# Allegro board rt1064_som.brd (continued)
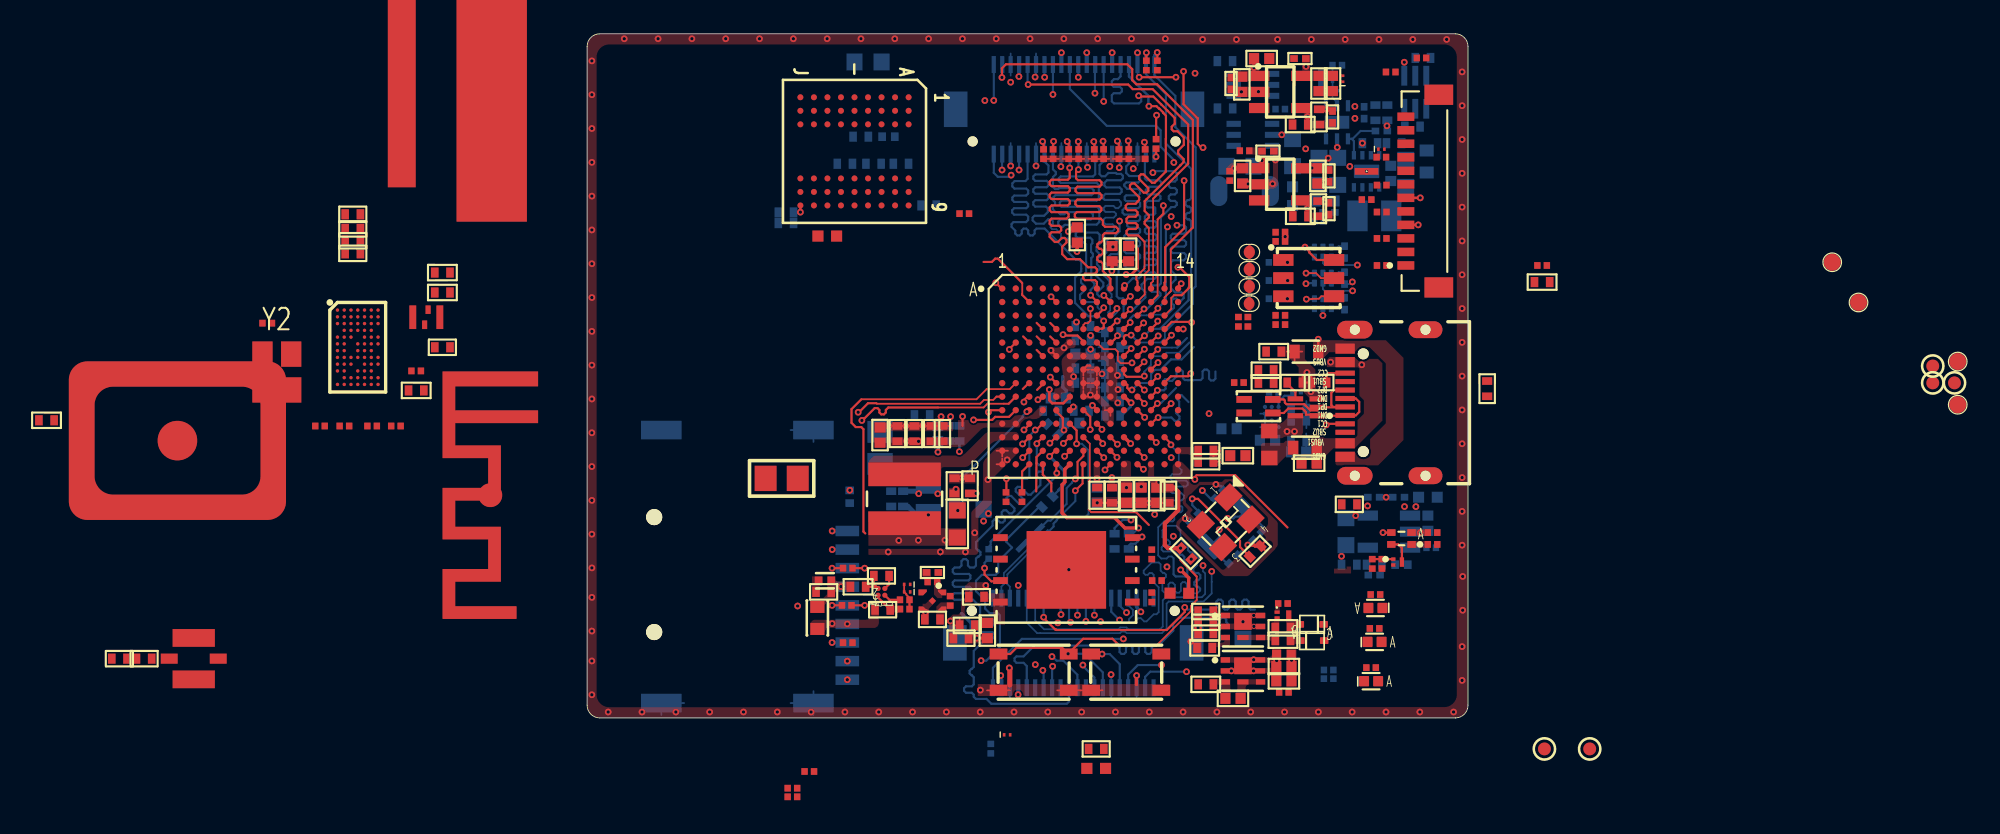
[diagram p0: board, top side]
## Footprints (pads in the part's own frame, mm; a bottom-side part is the same pattern mirrored in y, then rotated) (continued)
C0201
  rect 0.45x0.401 smd: 1(-0.35,0) 2(0.35,0)
C0402
  rect 0.6x0.65 smd: 1(-0.451,0) 2(0.451,0)
C0402_SMALL
  rect 0.45x0.6 smd: 1(-0.451,0) 2(0.451,0)
C0402N
  rect 0.54x0.6 smd: 1(-0.432,0) 2(0.432,0)
C0603
  rect 0.95x1.001 smd: 1(-0.8,0) 2(0.8,0)
C0805
  rect 1.295x1.499 smd: 1(-0.95,0) 2(0.95,0)
CB_4_5_ADI
  round 0.305 smd: A1(-0.2,0.2) A2(0.2,0.2) B1(-0.2,-0.2) B2(0.2,-0.2)
CC1206_OV
  oval 1.016x1.778 smd: 1(-1.524,0) 2(1.524,0)
CR_B30F4_STM
  rect 0.152x0.203 smd: A(0.178,0) C(-0.178,0)
CST3C_TOS
  rect 0.254x0.203 smd: 1(-0.254,0.175) 2(-0.254,-0.175)
  rect 0.254x0.559 smd: 3(0.254,0)
DCK6
  rect 1.168x0.356 smd: 1(-0.978,0.65) 2(-0.978,0) 3(-0.978,-0.65) 4(0.978,-0.65) 5(0.978,0) 6(0.978,0.65)
DCK6_TEX
  rect 0.851x0.356 smd: 1(-1.137,0.65) 2(-1.137,0) 3(-1.137,-0.65) 4(1.137,-0.65) 5(1.137,0) 6(1.137,0.65)
DQN4
  custom 0.34x0.49 smd: 1(-0.5,0.573) 3(0.5,-0.575)
  custom 0.35x0.5 smd: 2(-0.5,-0.578) 4(0.5,0.575)
  custom 0.439x0.439 smd: 5(0,0)
DRL5
  rect 0.914x0.305 smd: 1(-0.648,0.5) 2(-0.648,0) 3(-0.648,-0.5) 4(0.648,-0.5) 5(0.648,0.5)
FB0402
  rect 0.6x0.65 smd: 1(-0.451,0) 2(0.451,0)
GCT_MEM2075-00-140-01-A
  round 0.95 hole 0.95 unplated: (-3.4,0) (3.4,0)
  rect 0.62x1.4 smd: 1(2.58,11.42) 2(1.48,11.42) 3(0.38,11.42) 4(-0.72,11.42) 5(-1.82,11.42) 6(-2.92,11.42) 7(-4.02,11.42) 8(-5.12,11.42) 9(-6.22,11.42)
  rect 1.1x2.4 smd: SH1(-7.6,0.42) SH2(-7.6,9.42) SH3(8.55,9.42) SH4(8.55,0.42)
GCT_USB4105-GF-A
  round 0.65 hole 0.65 unplated: (-2.89,3.68) (2.89,3.68)
  rect 0.6x1.15 smd: 1(-3.2,4.755) 2(-2.4,4.755) 11(2.4,4.755) 12(3.2,4.755)
  rect 0.3x1.15 smd: 3(-1.75,4.755) 4(-1.25,4.755) 5(-0.75,4.755) 6(-0.25,4.755) 7(0.25,4.755) 8(0.75,4.755) 9(1.25,4.755) 10(1.75,4.755)
  oval 1x2 hole 0.6: G1(-4.32,0) G2(4.32,0)
  oval 1.05x2.1 hole 0.6: G3(-4.32,4.18) G4(4.32,4.18)
HRS_DF1730-40DS-05V57
  round 0.6 hole 0.6 unplated: (-6,-1.9) (6,-1.9)
  rect 0.25x1 smd: 1(-4.75,-2.65) 2(-4.75,2.65) 3(-4.25,-2.65) 4(-4.25,2.65) 5(-3.75,-2.65) 6(-3.75,2.65) 7(-3.25,-2.65) 8(-3.25,2.65) 9(-2.75,-2.65) 10(-2.75,2.65) 11(-2.25,-2.65) 12(-2.25,2.65) 13(-1.75,-2.65) 14(-1.75,2.65) 15(-1.25,-2.65) 16(-1.25,2.65) 17(-0.75,-2.65) 18(-0.75,2.65) 19(-0.25,-2.65) 20(-0.25,2.65) 21(0.25,-2.65) 22(0.25,2.65) 23(0.75,-2.65) 24(0.75,2.65) 25(1.25,-2.65) 26(1.25,2.65) 27(1.75,-2.65) 28(1.75,2.65) 29(2.25,-2.65) 30(2.25,2.65) 31(2.75,-2.65) 32(2.75,2.65) 33(3.25,-2.65) 34(3.25,2.65) 35(3.75,-2.65) 36(3.75,2.65) 37(4.25,-2.65) 38(4.25,2.65) 39(4.75,-2.65) 40(4.75,2.65)
  rect 1.4x2.1 smd: S1(-7,0) S2(7,0)
IND4_CHOKE_0805
  rect 0.914x0.406 smd: 1(-0.85,0.4) 2(0.85,0.4) 3(0.85,-0.4) 4(-0.85,-0.4)
IND_18A-101M
  rect 1.397x4.293 smd: 1(-1.448,0) 2(1.448,0)
IND_1608
  rect 0.61x0.813 smd: 1(-0.7,0) 2(0.7,0)
INDC2016X100N
  rect 1.2x1.82 smd: 1(-1,0) 2(1,0)
IS25WP064A-JKLE_ISI
  rect 0.864x0.406 smd: 1(-3.898,1.905) 2(-3.898,0.635) 3(-3.898,-0.635) 4(-3.898,-1.905) 5(3.898,-1.905) 6(3.898,-0.635) 7(3.898,0.635) 8(3.898,1.905)
  rect 4.699x4.597 smd: 9(0,0)
JST_SM12B-SURS-TFLFSN
  rect 0.5x1 smd: 1(-4.4,0) 2(-3.6,0) 3(-2.8,0) 4(-2,0) 5(-1.2,0) 6(-0.4,0) 7(0.4,0) 8(1.2,0) 9(2,0) 10(2.8,0) 11(3.6,0) 12(4.4,0)
  rect 1.2x1.7 smd: S1(-5.7,-1.95) S2(5.7,-1.95)
LED_XZVGMDK53W-9
  rect 0.5x0.4 smd: 1(0.6,-0.35) 2(-0.6,-0.35) 3(0.6,0.35) 4(-0.6,0.35)
LEDC1005X35N_GRN
  custom 0.59x0.61 smd: A(0.415,0) C(-0.415,0)
MICROFET6_2X2_ONS
  rect 0.55x0.32 smd: 1(-1.041,0.65) 2(-1.041,0) 3(-1.041,-0.65) 4(1.041,-0.65) 5(1.041,0) 6(1.041,0.65)
  rect 1.041x0.991 smd: 7(0,0.3)
  rect 0.66x0.305 smd: 8(0,-0.65)
MMBT3906LP
  rect 0.305x0.203 smd: 1(-0.343,0.175) 2(-0.343,-0.175)
  rect 0.305x0.559 smd: 3(0.343,0)
PCB_ANTENNA_REVERSE
  custom 14.638x5.654 smd: 1(0.001,-0.003)
PSON50P145X100X60-6N
  custom 0.42x0.3 smd: 1(-0.29,0.5)
  custom 0.41x0.3 smd: 2(-0.295,0) 3(-0.295,-0.5) 4(0.295,-0.5) 5(0.295,0) 6(0.295,0.5)
R0201
  rect 0.38x0.4 smd: 1(-0.281,0) 2(0.281,0)
R0402
  rect 0.45x0.6 smd: 1(-0.451,0) 2(0.451,0)
R0402_SMALL
  rect 0.45x0.6 smd: 1(-0.451,0) 2(0.451,0)
R0402N
  rect 0.656x0.656 smd: 1(-0.553,0) 2(0.553,0)
SHIELD_MS108-10
  custom 12.844x9.383 smd: 1(-0.051,0.025)
SODFL1608X65N
  custom 0.5x0.4 smd: A(0.73,0) C(-0.68,0)
SOLDER_JMPX4
  custom 0.396x0.8 smd: 1(0.02,0) 3(0.02,-1.016) 4(0.285,-1.016) 5(0.02,-2.032) 6(0.285,-2.032) 7(0.02,-3.048) 8(0.259,-3.048)
  custom 0.396x0.8 smd rot 179.7: 2(0.285,0)
SON212P250X320X75-4N
  rect 1.2x1.5 smd: 1(-0.85,1.06) 2(-0.85,-1.06) 3(0.85,-1.06) 4(0.85,1.06)
SOT95P282X145-5N
  rect 1.2x0.6 smd: 1(-1.25,0.95) 2(-1.25,0) 3(-1.25,-0.95) 4(1.25,-0.95) 5(1.25,0.95)
TDFN-6_MCH
  rect 0.66x0.254 smd: 1(-0.978,0.65) 2(-0.978,0) 3(-0.978,-0.65) 4(0.978,-0.65) 5(0.978,0) 6(0.978,0.65)
  rect 0.762x1.448 smd: 7(0,0)
TESTPOINT_1MM
  round 1 smd: 1(0,0)
TLV62084DSGR
  rect 0.5x0.25 smd: 1(-0.95,0.75) 2(-0.95,0.25) 3(-0.95,-0.25) 4(-0.95,-0.75) 5(0.95,-0.75) 6(0.95,-0.25) 7(0.95,0.25) 8(0.95,0.75)
  custom 0.4x1.4 hole 0.2: 9(0,0)
TPAD_030
  round 0.762 smd: 1(0,0)
VFBGA54_8X8
  round 0.356 smd: A1(-3.2,3.2) A2(-2.4,3.2) A3(-1.6,3.2) A7(1.6,3.2) A8(2.4,3.2) A9(3.2,3.2) B1(-3.2,2.4) B2(-2.4,2.4) B3(-1.6,2.4) B7(1.6,2.4) B8(2.4,2.4) B9(3.2,2.4) C1(-3.2,1.6) C2(-2.4,1.6) C3(-1.6,1.6) C7(1.6,1.6) C8(2.4,1.6) C9(3.2,1.6) D1(-3.2,0.8) D2(-2.4,0.8) D3(-1.6,0.8) D7(1.6,0.8) D8(2.4,0.8) D9(3.2,0.8) E1(-3.2,0) E2(-2.4,0) E3(-1.6,0) E7(1.6,0) E8(2.4,0) E9(3.2,0) F1(-3.2,-0.8) F2(-2.4,-0.8) F3(-1.6,-0.8) F7(1.6,-0.8) F8(2.4,-0.8) F9(3.2,-0.8) G1(-3.2,-1.6) G2(-2.4,-1.6) G3(-1.6,-1.6) G7(1.6,-1.6) G8(2.4,-1.6) G9(3.2,-1.6) H1(-3.2,-2.4) H2(-2.4,-2.4) H3(-1.6,-2.4) H7(1.6,-2.4) H8(2.4,-2.4) H9(3.2,-2.4) J1(-3.2,-3.2) J2(-2.4,-3.2) J3(-1.6,-3.2) J7(1.6,-3.2) J8(2.4,-3.2) J9(3.2,-3.2)
WE-BPF_1008
  rect 2.5x1.05 smd: 1(0,1.225) 3(0,-1.225)
  rect 1x0.6 smd: 2(-1.45,0) 4(1.45,0)
WLCSP12_0P4_1P38X1P68MM_SMDP
  round 0.254 smd: A1(-0.4,0.6) A2(0,0.6) A3(0.4,0.6) B1(-0.4,0.2) B2(0,0.2) B3(0.4,0.2) C1(-0.4,-0.2) C2(0,-0.2) C3(0.4,-0.2) D1(-0.4,-0.6) D2(0,-0.6) D3(0.4,-0.6)
WURTH_6PLCC_150353M153300
  rect 1.2x0.7 smd: 1(-1.5,1.075) 2(1.5,1.075) 3(-1.5,0) 4(1.5,0) 5(-1.5,-1.075) 6(1.5,-1.075)
WURTH_434133025816
  rect 1.05x0.65 smd: 1(-2.075,1.075) 2(2.075,1.075) 3(-2.075,-1.075) 4(2.075,-1.075)
X2_SMD_3_2X1_5MM
  rrect 0.762x1.524 smd: 1(-1.524,0) 2(1.524,0)
X4-SMD-3_2X2_5X1_0MM
  rect 1.321x1.067 smd: 1(-1.15,-0.925) 2(1.15,-0.925) 3(1.15,0.925) 4(-1.15,0.925)
XTAL4_SIT1533_SIT
  rect 0.406x1.397 smd: 1(-0.8,0) 3(0.8,0)
  rect 0.305x0.508 smd: 2(-0.099,-0.446) 4(0.106,0.446)

## Nets
5V_EXT: C5.1 C6.1 C8.1 C118.1 Q2.1 Q2.2 Q2.5 Q2.6 Q2.7 R122.1 U17.1
5V_SYS: C27.1 C28.1 C116.1 C117.1 C119.1 C120.1 C125.2 C250.1 R4.1 R36.1 R82.1 R123.1 TP32.1 U4.1 U17.6(VOUT) U18.6(VOUT) U24.5(VCC)
5V_USB_HOST: C109.1 U3.P6
5V_USB_OTG: C101.1 C108.1 C122.1 C123.1 C245.1 F3.2 R115.1 U3.N6 U11.C2 U11.D1 U11.D2 U17.3 U18.1 U19.5(VCC)
5V_VIN: C22.1 C23.1 R27.2 R28.1 U26.1
GND: BPF1.1 BPF1.3 C2.2 C5.2 C6.2 C9.2 C14.2 C15.2 C16.2 C19.2 C22.2 C23.2 C24.2 C25.2 C27.2 C28.2 C29.2 C30.2 C34.2 C35.2 C36.2 C37.2 C38.2 C39.2 C40.2 C41.2 C42.2 C43.2 C44.2 C45.2 C46.2 C47.2 C48.2 C49.2 C50.2 C51.2 C52.2 C53.2 C54.2 C55.2 C56.2 C57.2 C58.2 C59.2 C60.2 C61.2 C62.2 C63.2 C64.2 C65.2 C66.2 C67.2 C68.2 C69.2 C70.2 C71.2 C72.2 C73.2 C74.2 C75.2 C76.2 C77.2 C78.2 C79.2 C80.2 C81.2 C82.2 C83.2 C84.2 C85.2 C86.2 C87.2 C88.2 C89.2 C90.2 C91.2 C92.2 C93.2 C94.2 C95.2 C96.2 C97.2 C99.2 C100.2 C101.2 C106.2 C107.2 C108.2 C109.2 C110.2 C111.2 C112.1 C113.2 C115.2 C116.2 C117.2 C118.2 C119.2 C120.2 C121.2 C122.2 C123.2 C124.2 C125.1 C126.2 C127.2 C128.2 C130.2 C131.2 C132.2 C135.2 C136.2 C141.2 C142.2 C143.2 C144.2 C145.2 C159.1 C225.2 C245.2 C247.2 C248.2 C249.2 C250.2 D2.4(CATHODE2) D3.A D7.C(CATHODE) D14.C(CATHODE) J1.6(VSS) J1.SH1 J1.SH2 J1.SH3 J1.SH4 J4.4 J4.6 J4.10 J4.S1 J4.S2(SH1) J5.5 J5.6 J5.11 J5.12 J5.17 J5.18 J5.23 J5.24 J5.29 J5.30 J5.35 J5.36 J5.S1 J5.S2(SHIELD__1) J6.1 J6.6 J6.12 J6.18 J6.24 J6.30 J6.36 J6.S1 J6.S2(SHIELD__1) L7.1 L15.1 L16.1 L17.1 Q4.2(S) Q5.2(S) R8.2 R11.2 R13.2 R22.2 R26.2 R30.2 R33.2 R39.2 R46.2 R51.2 R60.1 R61.1 R62.1 R63.1 R64.1 R65.1 R66.1 R67.1 R68.1 R69.1 R70.1 R71.1 R72.1 R73.1 R86.2 R109.2 R535.2 R536.2 SH1.1(GND) SW1.1 SW1.2 SW2.1 SW2.2 U1.2 U1.3 U1.9 U2.2 U2.7 U3.A1 U3.A14 U3.B5 U3.B10 U3.E2 U3.E13 U3.G7 U3.G8 U3.H7 U3.H8 U3.J7 U3.J8 U3.K2 U3.K6 U3.K9 U3.K13 U3.L9 U3.N1 U3.N2 U3.N5 U3.N8 U3.P1 U3.P14 U4.2 U5.B2 U6.2 U8.3 U8.5 U9.A1 U9.A3 U9.B7 U9.C3 U9.D7 U9.E3 U9.J1 U11.B3 U11.C3 U11.D3 U16.2 U17.2 U18.2 U19.3 U20.4 U20.9 U21.3 U22.3 U23.3 U24.3 U26.2 U27.B6 U27.D4 U27.E3 U27.G2 U27.H2 U27.H3 U27.H4 U27.J2 U27.J5 U27.K2 U27.L2 U27.L3 U27.L4 X1.2 X1.4 Y1.2 Y2.2 Y2.4
GND_EARTH: J2.G1 J2.G2 J2.G3 J2.G4
VBUS: C225.1 J2.2(VBUS#2) J2.11 L5.1
VDD: Y1.4(VDD)
VDD_1V1_CAP: C55.1 C56.1 U3.P10
VDD_2V5_CAP: C53.1 C54.1 U3.P8
VDD_HIGH_IN_3V3: C9.1 C51.1 C52.1 FB2.2 U3.P12
VDD_SNVS_3V3: C142.1 D11.A R42.1 R43.1 R131.2
VDD_SNVS_CAP: C57.1 C58.1 U3.M10
VDD_SNVS_IN: C59.1 R41.2 U3.M9
VDD_SOC_IN: C40.1 C41.1 C42.1 C43.1 C44.1 C45.1 C46.1 C47.1 C48.1 C49.1 C50.1 R16.1 TP7.1 U3.F6 U3.F7 U3.F8 U3.F9 U3.G6 U3.G9 U3.H6 U3.H9 U3.J5 U3.J9
VDD_USB_3V: C106.1 C107.1 U3.K8
VDDA_ADC_3V3: C38.1 C39.1 C141.1 FB9.2 U3.N14
VDDC: U27.D3 U27.G4
#MR: D6.A D8.A U2.5
BT IF VDD: U27.G1
BT PAVDD: U27.H1
BT VCO VDD: U27.F1
BT_DEV_WAKE: U27.B1
BT_HOST_WAKE: U27.C1
BT_PCM_CLK: U27.A5
BT_PCM_IN: U27.C4
BT_PCM_OUT: U27.B4
BT_PCM_SYNC: U27.B5
BT_REG_ON: U27.E6
BT_UART_CTS: U27.B2
BT_UART_RTS: U27.C3
BT_UART_RXD: U27.A1
BT_UART_TXD: U27.A2
BTFM PLL VDD: U27.F2
DBG_RX: J4.12 R109.1 TP4.1 U16.3
DBG_TX: J4.11 TP5.1 U16.6
DC_5V_IN: C2.1 C247.1 C248.1 J6.7 J6.15 J6.19 J6.23 J6.27 J6.31 J6.35 Q1.1 Q1.2 Q1.5 Q1.6 Q1.7 R3.1
DC_SW_OUT: L3.1 U3.M1 U3.M2
DCDC_3V3: C14.1 C15.1 C112.2 C115.1 C126.1 C127.1 C128.1 C135.1 C136.1 D12.A FB2.1 FB4.1 FB5.1 FB9.1 J4.2 L1.2 L4.1 L12.1 R19.1 R23.1 R24.1 R27.1 R34.1 R45.1 R48.1 R49.1 R56.1 R57.1 R58.1 R59.1 R77.1 R83.1 R85.1 R107.1 R108.1 R128.1 R129.2 R130.2 R132.1 TP9.1 U1.5(VOS) U2.6 U5.A1 U16.5(VCC) U21.6 U22.6 U23.6
DCDC_3V3_PG: R23.2 U1.6 U4.3
DCDC_OUT: C67.1 C68.1 C69.1 L3.2 R16.2 TP8.1
DCDC_PSWITCH: C74.1 R47.1 U3.K3
EN: Q5.3 R85.2 U11.A1
ENET_INT: J6.38 R113.1 U3.G13
ENET_MDC: U3.A7
ENET_MDIO: U3.C7
ENET_RST: J6.40 R111.1 U3.F14
FAULT#: R83.2 U11.A2
FB_U4: C26.2 R32.2 R33.1 U4.4
FB_U26: C21.2 R29.2 R30.1 U26.4
FLASH_D0: R100.1 U20.5
FLASH_D1: R102.1 U20.2
FLASH_D2: R103.1 U20.3(W\P\_IO2)
FLASH_D3: R104.1 U20.7
FLASH_V: C110.1 C111.1 FB8.1 U20.8
FLASH_VCC: C113.1 FB7.1 FB8.2 L11.2 R97.1
FLEXSPI_CLK: R105.1 U3.L4
FLEXSPI_DATA0: R100.2 U3.P3
FLEXSPI_DATA1: R102.2 U3.N4
FLEXSPI_DATA2: R103.2 U3.P4
FLEXSPI_DATA3: R104.2 U3.P5
FLEXSPI_SS0: R101.1 U3.L3
FM RF VDD: U27.E2
FM_OUT1: U27.C2
FM_OUT2: U27.D2
FM_RF_IN: U27.E1
GPANAIO: U3.N10
GPIO_AD_B0_00: R48.2 U3.M14 U21.2
GPIO_AD_B0_02: U3.M11
GPIO_AD_B0_03: U3.G11 U22.2
GPIO_AD_B0_04: JMP1.7 R72.2 U3.F11
GPIO_AD_B0_05: JMP1.5(B4) R73.2 U3.G14
GPIO_AD_B0_14: U3.H14
GPIO_AD_B0_15: U3.L10
GPIO_AD_B1_02: U3.L11
GPIO_AD_B1_04: J6.13 U3.L12
GPIO_AD_B1_05: J6.17 U3.K12
GPIO_AD_B1_06: J6.21 U3.J12
GPIO_AD_B1_07: J6.25 U3.K10
GPIO_AD_B1_08: J6.29 U3.H13
GPIO_AD_B1_09: J6.33 U3.M13
GPIO_AD_B1_10: J6.37 U3.L13
GPIO_AD_B1_11: J6.39 U3.J13
GPIO_AD_B1_12: J6.2 U3.H12
GPIO_AD_B1_13: J6.4 U3.H11
GPIO_AD_B1_14: J6.8 U3.G12
GPIO_AD_B1_15: J6.10 U3.J14
GPIO_B0_00: J5.39 U3.D7
GPIO_B0_01: J5.37 U3.E7
GPIO_B0_02: J5.33 U3.E8
GPIO_B0_03: J5.31 U3.D8
GPIO_B0_04: J5.27 R60.2 U3.C8
GPIO_B0_05: J5.25 R61.2 U3.B8
GPIO_B0_06: J5.21 R62.2 U3.A8
GPIO_B0_07: J5.19 R63.2 U3.A9
GPIO_B0_08: J5.15 R64.2 U3.B9
GPIO_B0_09: J5.13 R65.2 U3.C9
GPIO_B0_10: J5.9 JMP1.1 R66.2 U3.D9
GPIO_B0_11: J5.7 R67.2 U3.A10
GPIO_B0_12: J5.3 R68.2 U3.C10
GPIO_B0_13: J5.1 JMP1.3 R69.2 U3.D10
GPIO_B0_14: J5.2 R70.2 U3.E10
GPIO_B0_15: J5.4 R71.2 U3.E11
GPIO_B1_00: J5.8 U3.A11
GPIO_B1_01: J5.10 U3.B11
GPIO_B1_02: J5.14 U3.C11
GPIO_B1_03: J5.16 U3.D11
GPIO_B1_04: J5.20 U3.E12
GPIO_B1_05: J5.22 U3.D12
GPIO_B1_06: J5.26 U3.C12
GPIO_B1_07: J5.28 U3.B12
GPIO_B1_08: J5.32 U3.A12
GPIO_B1_09: J5.34 U3.A13
GPIO_B1_10: J5.38 U3.B13
GPIO_B1_11: J5.40 U3.C13
GPIO_B1_14: J6.34 U3.C14
GPIO_B1_15: U3.B14 U23.2
GPIO_SD_B1_01: J6.14 U3.M5
GPIO_SD_B1_02: J6.16 U3.M3
GPIO_SD_B1_03: J6.20 U3.M4
GPIO_SD_B1_04: J6.22 U3.P2
GPIO_SD_B1_05: J6.26 U3.N3
I2C1_SCL: J6.9 U3.J11
I2C1_SDA: J6.11 U3.K11
JTAG_NTRST: J4.8 U3.G10
JTAG_TCK: R112.1 U3.F12
JTAG_TMS: R110.1 U3.E14
LDO_1V8: C21.1 C24.1 C25.1 L11.1 R29.1 TP29.1 U26.5(VOUT)
LPO_IN: U27.F5
MCU_DCDC_IN_3V3: C62.1 C63.1 C64.1 C65.1 C66.1 C143.1 L12.2 R47.2 U3.K4 U3.L1 U3.L2
MCU_ON/OFF: J6.32 SW1.3 SW1.4(B2) U3.M6
NVCC_EMC: C75.1 C76.1 C77.1 FB4.2 U3.E6 U3.F5
NVCC_GPIO: C78.1 C79.1 C80.1 C81.1 FB5.2 U3.E9 U3.F10 U3.J10(NVCC_GPIO_3)
NVCC_SD: C26.1 C29.1 C30.1 C249.1 FB6.1 R32.1 R52.1 R53.1 TP30.1 U4.5(VOUT)
NVCC_SD0: C82.1 C83.1 C124.1 FB6.2 U3.J6
NVCC_SD1: C84.1 C85.1 FB7.2 U3.K5
OTG1_DN: J2.5 J2.7 L6.1 U19.1
OTG1_DP: J2.6 J2.8 L6.4 U19.2
OVR_V_FLAG: C7.2 D1.A Q2.3 Q3.3 R7.2 R10.1 R11.1 R12.1
PMIC_ON_REQ: R21.2 U3.K7
POR_B: C61.1 D10.C D13.A J6.28 R25.1 R43.2 R44.2 SW2.3 SW2.4(B2) U3.M7
RESET: C16.1 R18.2 R21.1 U1.1 U2.1
SD1_CLK: R79.1 U3.J3
SD1_CMD: J1.3 R52.2 U3.J4
SD1_D0: J1.7 R53.2 U3.J1
SD1_D1: J1.8 U3.K1
SD1_D2: J1.1 U3.H2
SD1_D3: J1.2 U3.J2
SD_CD_SW: R78.2 U3.D13
SD_PWREN: D9.C U3.M12
SD_VDD: C95.1 C96.1 C97.1 FB3.2 J1.4
SDCLK: J1.5 R79.2
SDRAM_3V3: C86.1 C87.1 C88.1 C89.1 C90.1 C91.1 C92.1 C93.1 C94.1 L4.2 U9.A7 U9.A9 U9.B3 U9.C7 U9.D3 U9.E7 U9.J9
SEMC_A0: U3.C2 U9.H7
SEMC_A1: U3.G1 U9.H8
SEMC_A2: U3.G3 U9.J8
SEMC_A3: U3.H1 U9.J7
SEMC_A4: U3.A6 U9.J3
SEMC_A5: U3.B6 U9.J2
SEMC_A6: U3.B1 U9.H3
SEMC_A7: U3.A5 U9.H2
SEMC_A8: U3.A4 U9.H1
SEMC_A9: U3.B2 U9.G3
SEMC_A10: U3.G2 U9.H9
SEMC_A11: U3.B4 U9.G2
SEMC_A12: U3.A3 U9.G1
SEMC_BA0: U3.C1 U9.G7
SEMC_BA1: U3.F1 U9.G8
SEMC_CAS: U3.D3 U9.F7
SEMC_CKE: U3.A2 U9.F3
SEMC_CLK: R74.1 U3.B3
SEMC_CS0: U3.E1 U9.G9
SEMC_D0: U3.E3 U9.A8
SEMC_D1: U3.F3 U9.B9
SEMC_D2: U3.F4 U9.B8
SEMC_D3: U3.G4 U9.C9
SEMC_D4: U3.F2 U9.C8
SEMC_D5: U3.G5 U9.D9
SEMC_D6: U3.H5 U9.D8
SEMC_D7: U3.H4 U9.E9
SEMC_D8: U3.C6 U9.E1
SEMC_D9: U3.C5 U9.D2
SEMC_D10: U3.D5 U9.D1
SEMC_D11: U3.C4 U9.C2
SEMC_D12: U3.D4 U9.C1
SEMC_D13: U3.E5 U9.B2
SEMC_D14: U3.C3 U9.B1
SEMC_D15: U3.E4 U9.A2
SEMC_DM0: U3.H3 U9.E8
SEMC_DM1: U3.D6 U9.F1
SEMC_DQS: U3.B7
SEMC_RAS: U3.D2 U9.F8
SEMC_WE: U3.D1 U9.F9(W\E\)
SR PVSS: U27.A7
SR VDDBAT5V: U27.B7
SYS VDDIO: U27.C5
TCK: J4.3 R112.2
TDI: J4.5 R111.2
TDO: J4.1 R113.2
TMS: J4.7 R110.2
U1_SW: L1.1 U1.7
U1_VIN: C130.1 C131.1 C132.1 R18.1 R123.2 U1.8
U6_FB: C33.2 R38.2 R39.1 U6.4
U6_VIN: C34.1 C35.1 R36.2 R37.1 U6.1
UART1_RXD: R108.2 U3.L14 U16.4
UART1_TXD: R107.2 U3.K14 U16.1
USB_OTG1_DN: L6.2 U3.M8
USB_OTG1_DP: L6.3 U3.L8
USB_OTG1_ID: Q5.1 R49.2 R87.1 U3.H10
USB_OTG2_DN: J6.3 U3.N7 U24.1
USB_OTG2_DP: J6.5 U3.P7 U24.2
USER_BUTTON: R42.2 U3.L6
USER_LED: D5.C(CATHODE) U3.L5
V_BRD: C99.1 C100.1 R82.2 U11.B1 U11.B2 U11.C1(VINT3)
VFB_U1: R19.2 R22.1 U1.4
VLDO_3V3: C33.1 C36.1 C37.1 R38.1 R131.1 TP31.1 U6.5(VOUT)
VSD_3V3: C121.1 FB3.1 U5.A2(VOUT)
WCC VDDIO: U27.F6
WDOG_B: C246.1 U3.D14
WL_GPIO_0: R143.1
WL_GPIO_1: R142.1
WL_GPIO_2: R141.1
WL_GPIO_3: R140.1
WL_GPIO_4: R138.1
WL_REG_ON: U27.G6
WL_RF_GPIO: U27.J3
WL_SDIO_CLK: U27.M7
WL_SDIO_CMD: U27.L6
WL_SDIO_DAT0: U27.K6
WL_SDIO_DAT1: U27.H7
WL_SDIO_DAT2: U27.L7
WL_SDIO_DAT3: U27.J7
WLRF PA VDD: U27.M1
WLRF VDD 1P35: U27.M2
WLRF XTAL VDD1P2: U27.M3
N3228024: J2.4 R87.2 R536.1 U19.4
N3228437: R86.1 U11.A3
N3229246: R97.2 R101.2 U20.1
N3229250: R105.2 U20.6
N3232179: D13.C J4.9 R106.2
N3234922: R35.2 U5.B1
N3234942: D9.A D10.A R34.2 R35.1
N3235464: J1.9 R77.2 R78.1
N3236913: R74.2 U9.F2
N3241258: JMP1.2 R56.2
N3241262: JMP1.4 R57.2
N3241266: JMP1.6 R58.2
N3241270: JMP1.8 R59.2
N3244969: R51.1 U3.F13
N3251546: C73.1 U3.P9 X2.2
N3251555: C72.1 U3.N9 X2.1
N3251584: C71.1 U3.N11 X1.1
N3251626: C70.1 R46.1 U3.P11 X1.3
N3251696: R44.1 U8.1
N3251712: C60.1 R45.2 U8.4(VDD)
N3253889: D11.C R41.1
N3260107: D15.6 U23.4(Y)
N3260173: D15.4 U22.4(Y)
N3260253: D15.2 U21.4(Y)
N3260286: D15.1 R128.2
N3260301: D15.3 R129.1
N3260305: D15.5 R130.1
N3260493: R37.2 U6.3
N3261743: R28.2 U26.3
N3285554: D3.C(CATHODE) R5.2 R6.1
N3285558: C7.1 D1.C(CATHODE) Q1.4 Q1.8(S2) Q2.4 Q2.8(S2) Q3.2(E) R5.1 R7.1
N3285724: C8.2 R10.2
N3285956: Q4.1 R12.2 R13.1
N3286038: D2.2 Q4.3
N3286042: D2.1 R3.2
N3286046: D2.3 R4.2
N3286190: C246.2 D8.C R26.1
N3286273: C19.1 D6.C R25.2
N3296758: R122.2 U17.5 U18.3
N3343994: R138.2 U27.K5
N3344362: R143.2 U27.J6
N3344366: R142.2 U27.H6
N3344370: R141.2 U27.L5
N3344374: R140.2 U27.K4
N3361127: C144.1 R139.1 Y2.1
N3361131: C145.1 U27.M4 Y2.3(XTAL2)
N3361459: L14.1 U27.J1
N3361465: C151.1 L14.2
N3361469: C152.1 U27.K1
N3361481: BPF1.4 C151.2 C152.2 L15.2
N3361650: BPF1.2(OUT) C154.1 L16.2
N3362107: C158.2 E1.1 L17.2
N3362209: C154.2 C158.1 C159.2
N3362453: R139.2 U27.M5
N3365178: J2.10 R535.1
N3365194: J2.1 J2.12 L7.2
N3384801: Q3.1 R6.2
N32273571: D14.A R115.2
N32274071: F3.1 L5.2
N32304790: D12.C R106.1
N32561662: Q1.3 R8.1
N32572571: D7.A R24.2
N32597351: D5.A R132.2

Pads without a net: J2 3 9; U2 3 4; U3 L7 N12 N13 P13; U8 2; U9 E2; U17 4; U18 4 5; U21 1 5; U22 1 5; U23 1 5; U24 4; U27 A3 A4 A6 B3 C6 C7 D5 D6 E5 E7 F4 F7 G5 H5 M6; Y1 1 3

## Via types
v1: diameter 0.4, hole 0.2, TOP to BOTTOM, 420 vias
v2: diameter 0.3, hole 0.2, TOP to BOTTOM, 3 vias

## Routing (per net, layer and track width the routed paths; a pad name or vN(x,y) marks a point on that pad's centre or on a via; arc(x,y) is an arc through that point)
5V_EXT:
  vias: v1(38.1,2.78) v1(39.42,3.44) v1(39.41,2.78) v1(40.78,3.4)
5V_SYS: length 13.1
  BOTTOM w0.127: v1(23.3,3.39) 23.61,3.39 24.42,4.19 24.42,6.07 24.29,6.19 23.81,6.19 23.54,6.47 23.54,6.96 23,7.5 23,8.12 23.34,8.46 24.16,8.46 24.31,8.61 24.31,8.62 24.31,9.26 25.13,10.08 24.79,10.42 24.79,10.54 26.73,12.48 C125.2
  vias: v1(38.35,37.96) v1(39.44,38.48)
5V_USB_HOST: length 8.7
  TOP w0.2: U3.P6 28.25,14.71 28.25,13.96 28.09,13.8 28.09,12.13 28.37,11.85 31.19,11.85 31.81,11.23 v1(32.61,11.23)
  BOTTOM w0.127: v1(32.61,11.23) 32.27,10.9 C109.1
5V_USB_OTG: length 2
  TOP w0.127: v1(28.24,15.48) 28.55,15.79 U3.N6
  BOTTOM w0.127: v1(32.17,11.71) 31.67,11.71 31.19,11.23 C108.1
  vias: v1(41.4,16.95) v1(41.84,16.95)
5V_VIN:
  vias: v1(48.34,12.51) v1(49.02,12.5)
GND: length 129.2
  TOP w0.102: L7.1 42.3,21.67 ; L7.1 41.38,21.67 ; L7.1 41.84,21.11 ; 42.69,19.84 R536.2 42.31,20.29 ; 29.35,20.27 U3.G7 29.69,20.61 ; 37.42,15.16 C38.2 37.04,15.61 ; 30.35,33.08 R64.1 29.64,33.08 ; 31.68,33.08 R67.1 32.39,33.08 ; 42.46,19.84 R535.2 ; R535.2 42.84,19.39 ; R535.2 42.84,20.29 ; U3.H7 29.69,19.81 ; U3.H7 29.35,19.47 ; U3.H7 29.35,20.14 ; 29.42,33.08 R63.1 28.72,33.08 ; 21.65,5.47 C111.2 22.03,5.93 ; 18.9,17.27 C63.2 19.81,17.27 ; 20.83,17.27 C62.2 19.92,17.27 ; 31.8,33.08 R66.1 31.09,33.08 ; 24.21,15.81 U3.N1 ; U3.N1 24.89,15.81 ; U3.N1 24.55,15.47 ; 29.81,19.81 U3.H8 ; U3.H8 30.15,20.14 ; U3.H8 30.15,19.47 ; 24.55,15.34 U3.P1 24.21,15.01 ; 30.49,1.63 SW1.2 29.13,1.63 ; 37.04,15.35 C141.2 37.42,15.81 ; 30.9,33.08 R65.1 30.19,33.08 ; 21.46,17.27 C143.2 20.56,17.27 ; 18.8,17.27 C64.2 17.9,17.27 ; U6.2 40.5,31.57 ; 30.61,18.21 U3.K9 30.95,17.87 ; 35.94,14.26 v1(35.94,14.11) ; 29.81,19.01 U3.J8 30.15,19.34 ; 29.69,19.01 U3.J7 29.35,19.34 ; 27.8,1.63 SW2.1 29.16,1.63 ; 28.13,33.08 R62.1 28.83,33.08 ; 40.15,9.85 R46.2 40.09,10.44 ; 27.91,33.08 R61.1 27.21,33.08 ; 30.15,20.27 U3.G8 29.81,20.61 ; 25.01,1.63 SW2.2 23.65,1.63
  TOP w0.127: 41.42,11.27 38.33,14.36 36.04,14.36 35.94,14.26 ; 30.45,20.34 30.52,20.34 30.53,20.34 30.45,20.34 ; 30.45,20.34 30.41,20.34 ; 30.45,20.34 v1(30.45,20.36) ; v1(33.23,12.73) C51.2 C9.2 ; v1(33.68,35.66) 33.65,35.63 R69.1 ; U3.E13 34.15,22.23 34.39,22.47 ; v1(24.97,21.8) 24.97,21.83 U3.E2 25.33,22.21 ; U3.N8 v1(30.56,15.4) ; v1(22.85,17.63) 23.96,17.63 24.14,17.81 24.95,17.81 U3.K2 ; U3.B5 v1(27.44,24.92) ; U3.A14 34.95,25.51 v1(35.13,25.69) ; v1(34.56,22.64) 34.39,22.47 ; 34.39,22.47 34.39,22.46 ; v1(20.89,9.82) 20.96,9.82 20.99,9.79 20.88,9.68 ; v1(32.35,12.73) C56.2 C59.2 C53.2 v1(30.17,12.73) ; U3.N5 27.68,15.81 v1(27.35,15.48) ; U3.G7 29.35,20.63 29.57,20.85 29.74,20.85 29.76,20.83 ; U3.A1 24.51,25.41 v1(24.17,25.74) ; C78.2 v1(31.1,27.87) ; v1(34.82,37.91) v1(32.65,37.91) ; v1(32.13,24.94) 32.08,24.94 U3.B10 ; U5.B2 17.86,7.91 C121.2
  TOP w0.13: 47.56,10.97 v1(47.07,10.97)
  TOP w0.147: v1(32.82,10.71) 32.7,10.71 32.67,10.68 32.24,10.68 ; U20.4 32.24,10.68 ; 32.24,10.68 32.19,10.68
  TOP w0.15: v1(34.54,18.6) 34.46,18.52 34.46,18.52 U3.K13 ; U3.K6 28.55,18.25 28.7,18.4 v1(28.76,18.4) ; J4.4 v1(49.15,29.17) ; J4.6 v1(49.27,30.77)
  TOP w0.2: 32.49,1.97 32.49,2.5 v1(32.5,2.51) ; v1(39.07,10.23) 39.08,10.23 39.09,10.22 39.46,10.22 39.5,10.17 R46.2
  TOP w0.3: 25,1.95 25,2.93 v1(24.97,2.96)
  GND1 w0.102: v1(46.1,32.34) 46.1,32.92 ; v1(46.1,32.34) 45.17,32.34 ; v1(46.1,32.34) 47.03,32.34 ; v1(46.1,32.34) 46.1,31.76
  SIG1 w0.127: v1(35.38,11.8) 35.41,11.8 35.51,11.89 35.95,11.89 37.1,10.75 37.57,10.75 38.1,11.28 38.18,11.28 38.21,11.3 38.28,11.3 38.49,11.51 38.49,11.82 38.43,11.87 38.43,12.57 v1(37.19,13.81) ; v1(33.57,12.04) 33.62,11.99 34.37,11.99 35.49,10.87 35.64,10.87 35.67,10.9 35.83,10.9 35.94,10.79 35.94,10.63 35.91,10.6 35.91,10.45 36.35,10.01 37.29,10.01 38.75,11.46 38.75,13.17 37.71,14.21 36.44,14.21 36.28,14.37
  BOTTOM w0.102: 26.55,32.7 J5.29 26.55,34.01 ; 4.39,0.18 4.39,0.88 5.74,0.88 ; C79.2 30.62,22.38 ; C79.2 30.62,21.48 ; C79.2 30.24,21.93 ; 12.03,0.88 13.39,0.88 ; 13.39,0.88 13.39,1.58 ; 13.39,0.88 13.39,0.18 ; 38.71,9.9 C73.2 38.7,9.39 ; 25.05,34.01 J5.35 25.05,32.7 ; 39.81,18 U11.B3 40.09,17.72 ; 25,1.14 J6.6 25,2.44 ; 42.54,18.05 C100.2 42.54,17.14 ; C127.2 45.15,25.67 45.26,25.77 v1(45.26,25.8) ; 30.62,19.1 C40.2 ; C40.2 30.24,19.55 ; C40.2 30.62,20 ; 31,1.14 J6.30 31,2.44 ; 29.78,20.22 C41.2 ; C41.2 30.16,20.68 ; C41.2 29.78,21.13 ; 28.05,34.01 J5.23 28.05,32.7 ; 40.09,17.48 U11.D3 39.81,17.2 ; 29.78,21.9 C77.2 30.15,22.35 ; 29.78,21.06 C75.2 30.23,21.53 ; 13.39,16.33 J1.SH3 12.03,17.03 ; C43.2 30.62,20.8 ; C43.2 30.62,19.9 ; C43.2 30.24,20.35 ; 30.24,21.12 C42.2 ; C42.2 30.62,20.67 ; C42.2 30.62,21.58 ; 32.55,34.01 J5.5 32.55,32.7 ; 30.62,22.37 C81.2 30.24,22.82 ; 30.62,19.18 C45.2 30.62,18.28 ; 39.31,10.45 C72.2 ; U11.C3 40.09,17.88 ; U11.C3 39.81,17.6 ; U11.C3 40.09,17.32 ; 29.55,32.7 J5.17 29.55,34.01 ; 29.78,19.37 C44.2 ; C44.2 29.78,20.28 ; C44.2 30.16,19.83 ; 32.5,1.14 J6.36 32.5,2.44 ; 42.53,16.83 C122.2 42.53,15.93 ; 32.55,39.31 J5.6 32.55,38 ; 25.05,39.31 J5.36 25.05,38 ; 42.54,18.75 C99.2 42.54,17.84 ; 26.55,39.31 J5.30 26.55,38 ; 20.94,16.38 C46.2 21.85,16.38
  BOTTOM w0.127: J5.24 v1(28.05,39.36) ; C77.2 v1(29.78,22.63) ; 37.67,13.55 37.5,13.72 37.37,13.72 37.28,13.81 v1(37.19,13.81) ; C125.1 27.88,13.47 27.88,13.47 ; v1(32.82,10.71) 32.57,10.46 32.57,10.45 32.43,10.31 32.15,10.31 32.04,10.2 C109.2 ; U22.3 42.55,25.72 v1(42.51,25.69) ; v1(35.38,11.8) 35.38,11.72 35.57,11.53 ; 29.77,21.82 29.78,21.82 v1(29.78,21.81) C75.2 ; J5.18 v1(29.55,39.36)
  BOTTOM w0.15: C48.2 v1(22.02,15.75) ; v1(28.76,18.4) 28.76,18.2 C107.2 ; C54.2 v1(30.17,12.73) ; C49.2 20.74,16.37 20.74,15.86 20.75,15.86 v1(20.75,15.73)
  BOTTOM w0.18: 27.88,13.47 28.21,13.81 28.21,14.62 v1(27.35,15.48)
  BOTTOM w0.2: 28.34,19.03 28.34,19.36 28.13,19.57 28.13,20.19 ; 39.31,10.45 39.09,10.23 v1(39.07,10.23)
  BOTTOM w0.3: C69.2 19.68,13.41 C67.2
  vias: v1(0.28,38.87) v1(0.28,36.87) v1(0.28,34.87) v1(0.28,32.87) v1(0.28,30.87) v1(0.28,28.87) v1(0.28,26.87) v1(0.28,24.87) v1(0.28,22.87) v1(0.28,20.87) v1(0.28,18.87) v1(0.28,16.87) v1(0.28,14.87) v1(0.28,12.87) v1(0.28,10.87) v1(0.28,8.88) v1(0.28,7.13) v1(0.28,5.14) v1(0.28,3.37) v1(0.28,1.37) v1(1.25,0.35) v1(2.2,40.18) v1(3.25,0.35) v1(4.2,40.18) v1(5.25,0.35) v1(6.2,40.18) v1(7.25,0.35) v1(8.2,40.18) v1(9.25,0.35) v1(10.2,40.18) v1(11.25,0.35) v1(12.2,40.18) v1(12.45,6.62) v1(13.25,0.35) v1(14.2,40.18) v1(14.49,5.58) v1(15.25,0.35) v1(15.39,5.56) v1(16.2,40.18) v1(17.25,0.35) v1(17.85,17.27) v1(17.81,9.82) v1(18.2,40.18) v1(18.85,17.27) v1(19.25,0.35) v1(19.61,13.27) v1(19.86,17.29) v1(20.02,6.25) v1(20.2,40.18) v1(20.74,13.26) v1(21.25,0.35) v1(21.49,5.73) v1(21.81,13.53) v1(21.92,12.27) v1(22.2,40.18) v1(22.37,9.82) v1(22.92,10.95) v1(23.26,1.65) v1(23.25,0.35) v1(23.52,36.53) v1(23.58,7.84) v1(23.7,14.1) v1(24.2,40.18) v1(24.84,15.27) v1(25.05,37.61) v1(25.05,32.66) v1(25.25,0.35) v1(26.2,40.18) v1(26.5,37.92) v1(26.55,32.66) v1(26.51,3.15) v1(27.25,0.35) v1(28.02,32.62) v1(28.2,40.18) v1(28.49,8.77) v1(29.25,0.35) v1(29.59,32.57) v1(29.76,19.11) v1(30.2,40.18) v1(30.92,32.63) v1(31.05,39.36) v1(30.99,2.56) v1(31.25,0.35) v1(32.2,40.18) v1(32.3,32.5) v1(32.55,39.36) v1(33.25,0.35) v1(34.2,40.18) v1(34.54,29.66) v1(34.54,15.4) v1(35.25,0.35) v1(35.7,4.52) v1(35.95,38.14) v1(36.13,5.33) v1(36.4,40.14) v1(37.25,0.35) v1(38.4,40.14) v1(38.69,37.04) v1(39.1,31.59) v1(39.25,0.35) v1(39.7,37.05) v1(40.54,31.6) v1(40.71,33.01) v1(40.83,40.14) v1(41.08,34.5) v1(41.25,0.35) v1(41.67,3.42) v1(42.5,33.67) v1(42.57,20.44) v1(42.83,40.14) v1(42.81,19.3) v1(43.25,0.35) v1(43.56,31.68) v1(43.68,37.08) v1(43.83,33.12) v1(44.37,33.76) v1(44.62,9.56) v1(44.83,40.14) v1(45.11,32.63) v1(45.25,0.35) v1(45.41,35.47) v1(45.85,34) v1(46.83,40.14) v1(47.25,13.06) v1(47.25,0.35) v1(47.3,35.03) v1(48.83,40.14) v1(49.25,0.35) v1(50.83,40.14) v1(51.25,0.35) v1(51.75,38.22) v1(51.75,36.22) v1(51.75,34.22) v1(51.75,32.22) v1(51.75,30.22) v1(51.75,28.22) v1(51.75,26.22) v1(51.75,24.22) v1(51.75,22.22) v1(51.75,20.22) v1(51.75,18.22) v1(51.75,16.22) v1(51.75,14.22) v1(51.75,12.22) v1(51.75,10.22) v1(51.75,4.22) v1(51.75,2.22) v1(51.78,8.37) v1(51.78,6.37)
GND_EARTH: length 30.5
  SIG1 w0.127: 44.35,31.31 45.06,30.6 45.06,27.24 44.48,26.66 44.48,23.04 ; 46.02,23.58 44.62,22.18 ; 46.02,23.58 J2.G4 44.48,23.04 ; 46.02,23.58 49.18,23.58 49.71,24.11 ; 44.48,23.04 44.08,22.63 44.08,21.46 44.59,20.95 44.64,20.95 46.03,22.34 47.49,22.34 47.62,22.21
  SIG1 w0.15: J2.G4 46.39,23.26 ; 46.39,23.26 44.55,21.41 ; 46.39,23.26 49.36,23.26 ; 49.36,23.26 J2.G2 ; 49.36,23.26 50.02,23.92
VBUS:
  vias: v1(43.97,21.05) v1(45.81,20.89)
VDD_1V1_CAP: length 0.3
  TOP w0.2: 31.76,13.82 31.9,13.68 C56.1 v1(31.9,13.63)
  BOTTOM w0.2: 31.82,13.63 v1(31.9,13.63)
VDD_2V5_CAP:
  vias: v1(30.16,14.15)
VDD_HIGH_IN_3V3: length 5.5
  TOP w0.25: v1(35.1,10.04) 34.35,10.04 34.17,10.23 34.17,11.5 34.96,12.3 34.96,13.38 34.71,13.63 C9.1
  BOTTOM w0.15: C51.1 33.69,13.82 v1(33.81,13.95)
VDD_SNVS_CAP: length 1.1
  TOP w0.127: 32.15,16.21 U3.M10
  TOP w0.2: U3.M10 31.77,16.61 v1(32.15,16.23)
  vias: v1(32.77,13.68)
VDD_SNVS_IN: length 0.6
  TOP w0.127: U3.M9 v1(31.36,16.19)
  vias: v1(31.03,14.22)
VDD_SOC_IN: length 1.2
  TOP w0.127: U3.H9 31.03,19.81 31.03,19.8 ; U3.G9 30.97,20.61
  BOTTOM w0.2: C43.1 31.36,20.35 ; 31.36,20.35 v1(31.36,20.27) ; 31.36,20.35 31.36,20.96 C42.1
  vias: v1(20.93,17.83) v1(21.5,17.82) v1(28.77,20.19) v1(31.4,19.43) v1(31.38,18.64)
VDD_USB_3V: length 1.9
  TOP w0.127: v1(29.88,18.49) 29.89,18.49 30.15,18.23 U3.K8
  BOTTOM w0.15: C107.1 29.68,18.29 v1(29.88,18.49)
  BOTTOM w0.2: 29.82,18.49 v1(29.88,18.49) ; v1(23.45,11.64) C106.1 23.7,12.09 v1(23.73,12.09)
#MR: length 1.5
  BOTTOM w0.102: U2.5 44.35,36.42 44.09,36.68 D8.A D6.A
DC_5V_IN: length 4.8
  BOTTOM w0.127: J6.19 28.5,5.75 v1(28.59,5.66) ; J6.31 31.5,6.64 v1(31.9,6.23) ; J6.23 v1(29.5,5.72)
  BOTTOM w0.18: v1(32.75,6.28) 32.55,6.48 32.55,6.5 32.5,6.55 J6.35
  vias: v1(25.5,7.84) v1(27.84,5.62) v1(30.37,5.7) v2(38.79,5.69) v2(39.43,6.06) v2(39.44,5.42)
DCDC_3V3: length 6.7
  TOP w0.127: 17.85,6.48 17.21,7.12 17.21,7.26
  TOP w0.16: FB5.1 32.4,27.92 32.56,27.76 32.56,26.61 32.18,26.23 v1(31.88,26.23)
  TOP w0.2: FB4.1 28.7,29.02 v1(28.46,28.78)
  BOTTOM w0.102: U23.6 44.39,24.8 44.44,24.86 C136.1 ; C127.1 44.44,26.37 44.39,26.31 44.02,26.31 ; C128.1 44.44,27.91 44.39,27.85 U21.6
  vias: v1(35.73,9.39) v1(41.28,28.47) v1(45.41,36.18)
